# Altium PCB AD9959.PcbDoc (part 1 of 2)
Units mil, origin at the board's own origin, x right, y up, seen from the top; angles counter-clockwise.
Board outline 2765 x 1935 mil, 4 copper layers (Top Layer, Layer 1, Layer 2, Bottom Layer), stack 63.126 mil thick; 270 components, 121 nets, 743 pads, 606 vias.
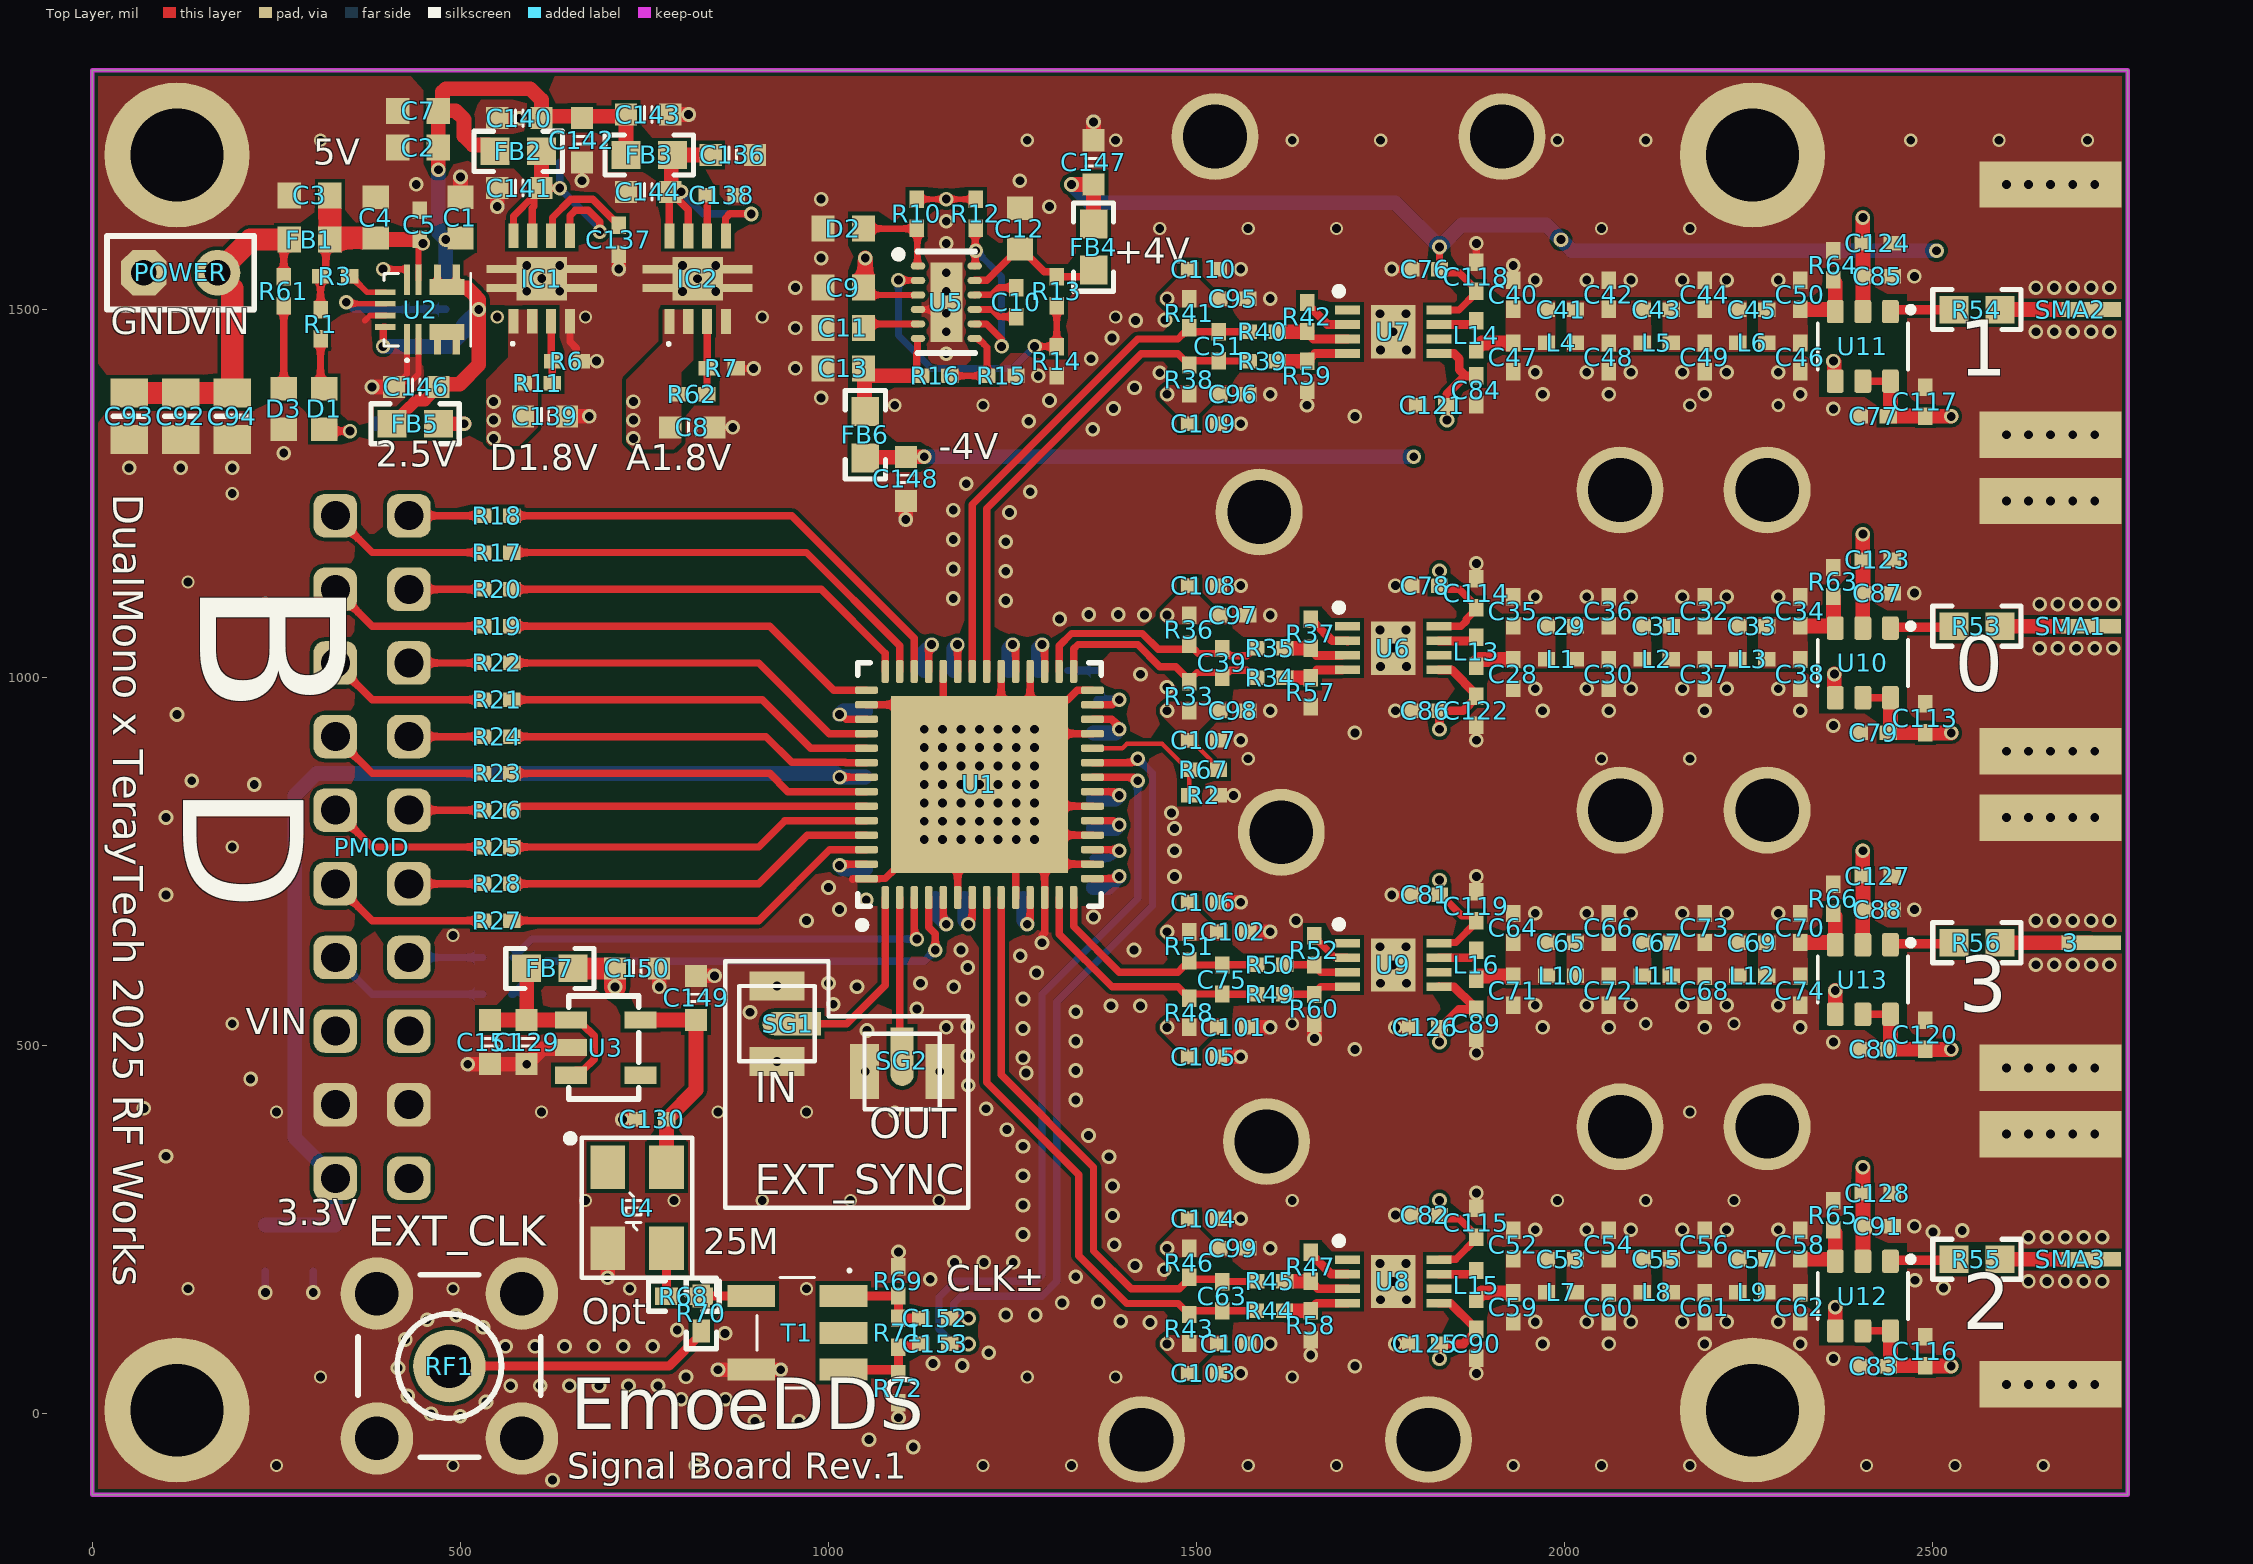
[diagram p0: Top Layer view]
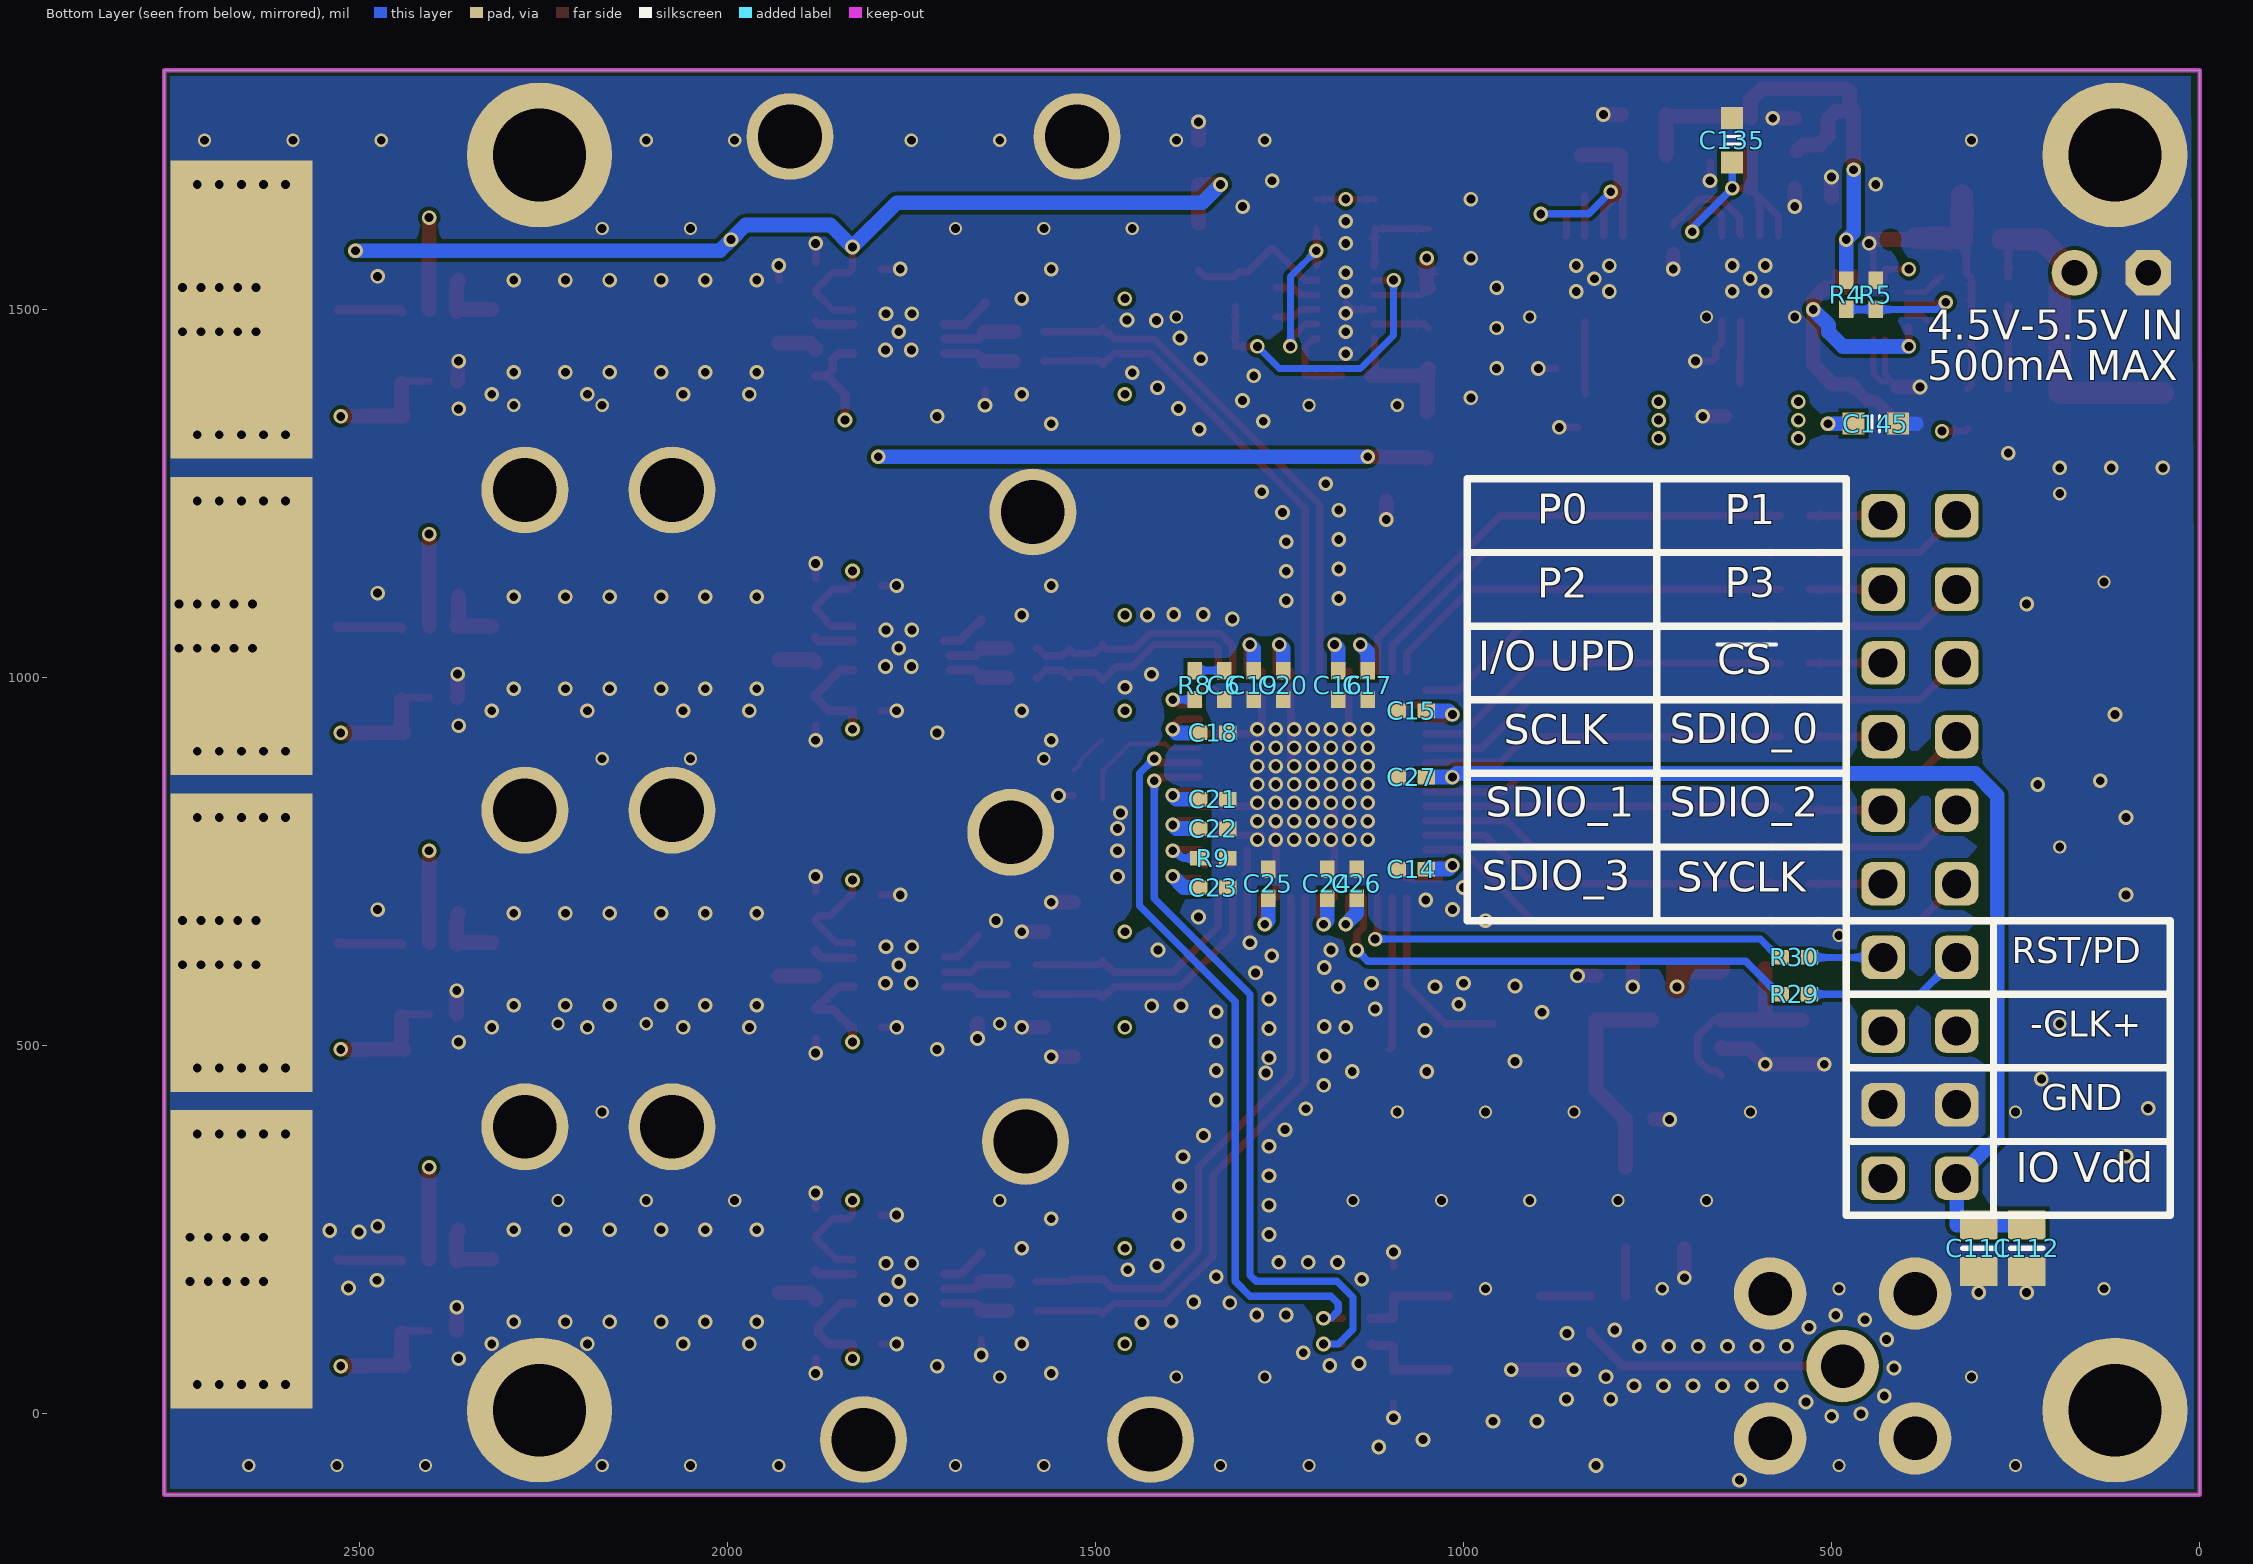
[diagram p1: Bottom Layer view, seen from below]
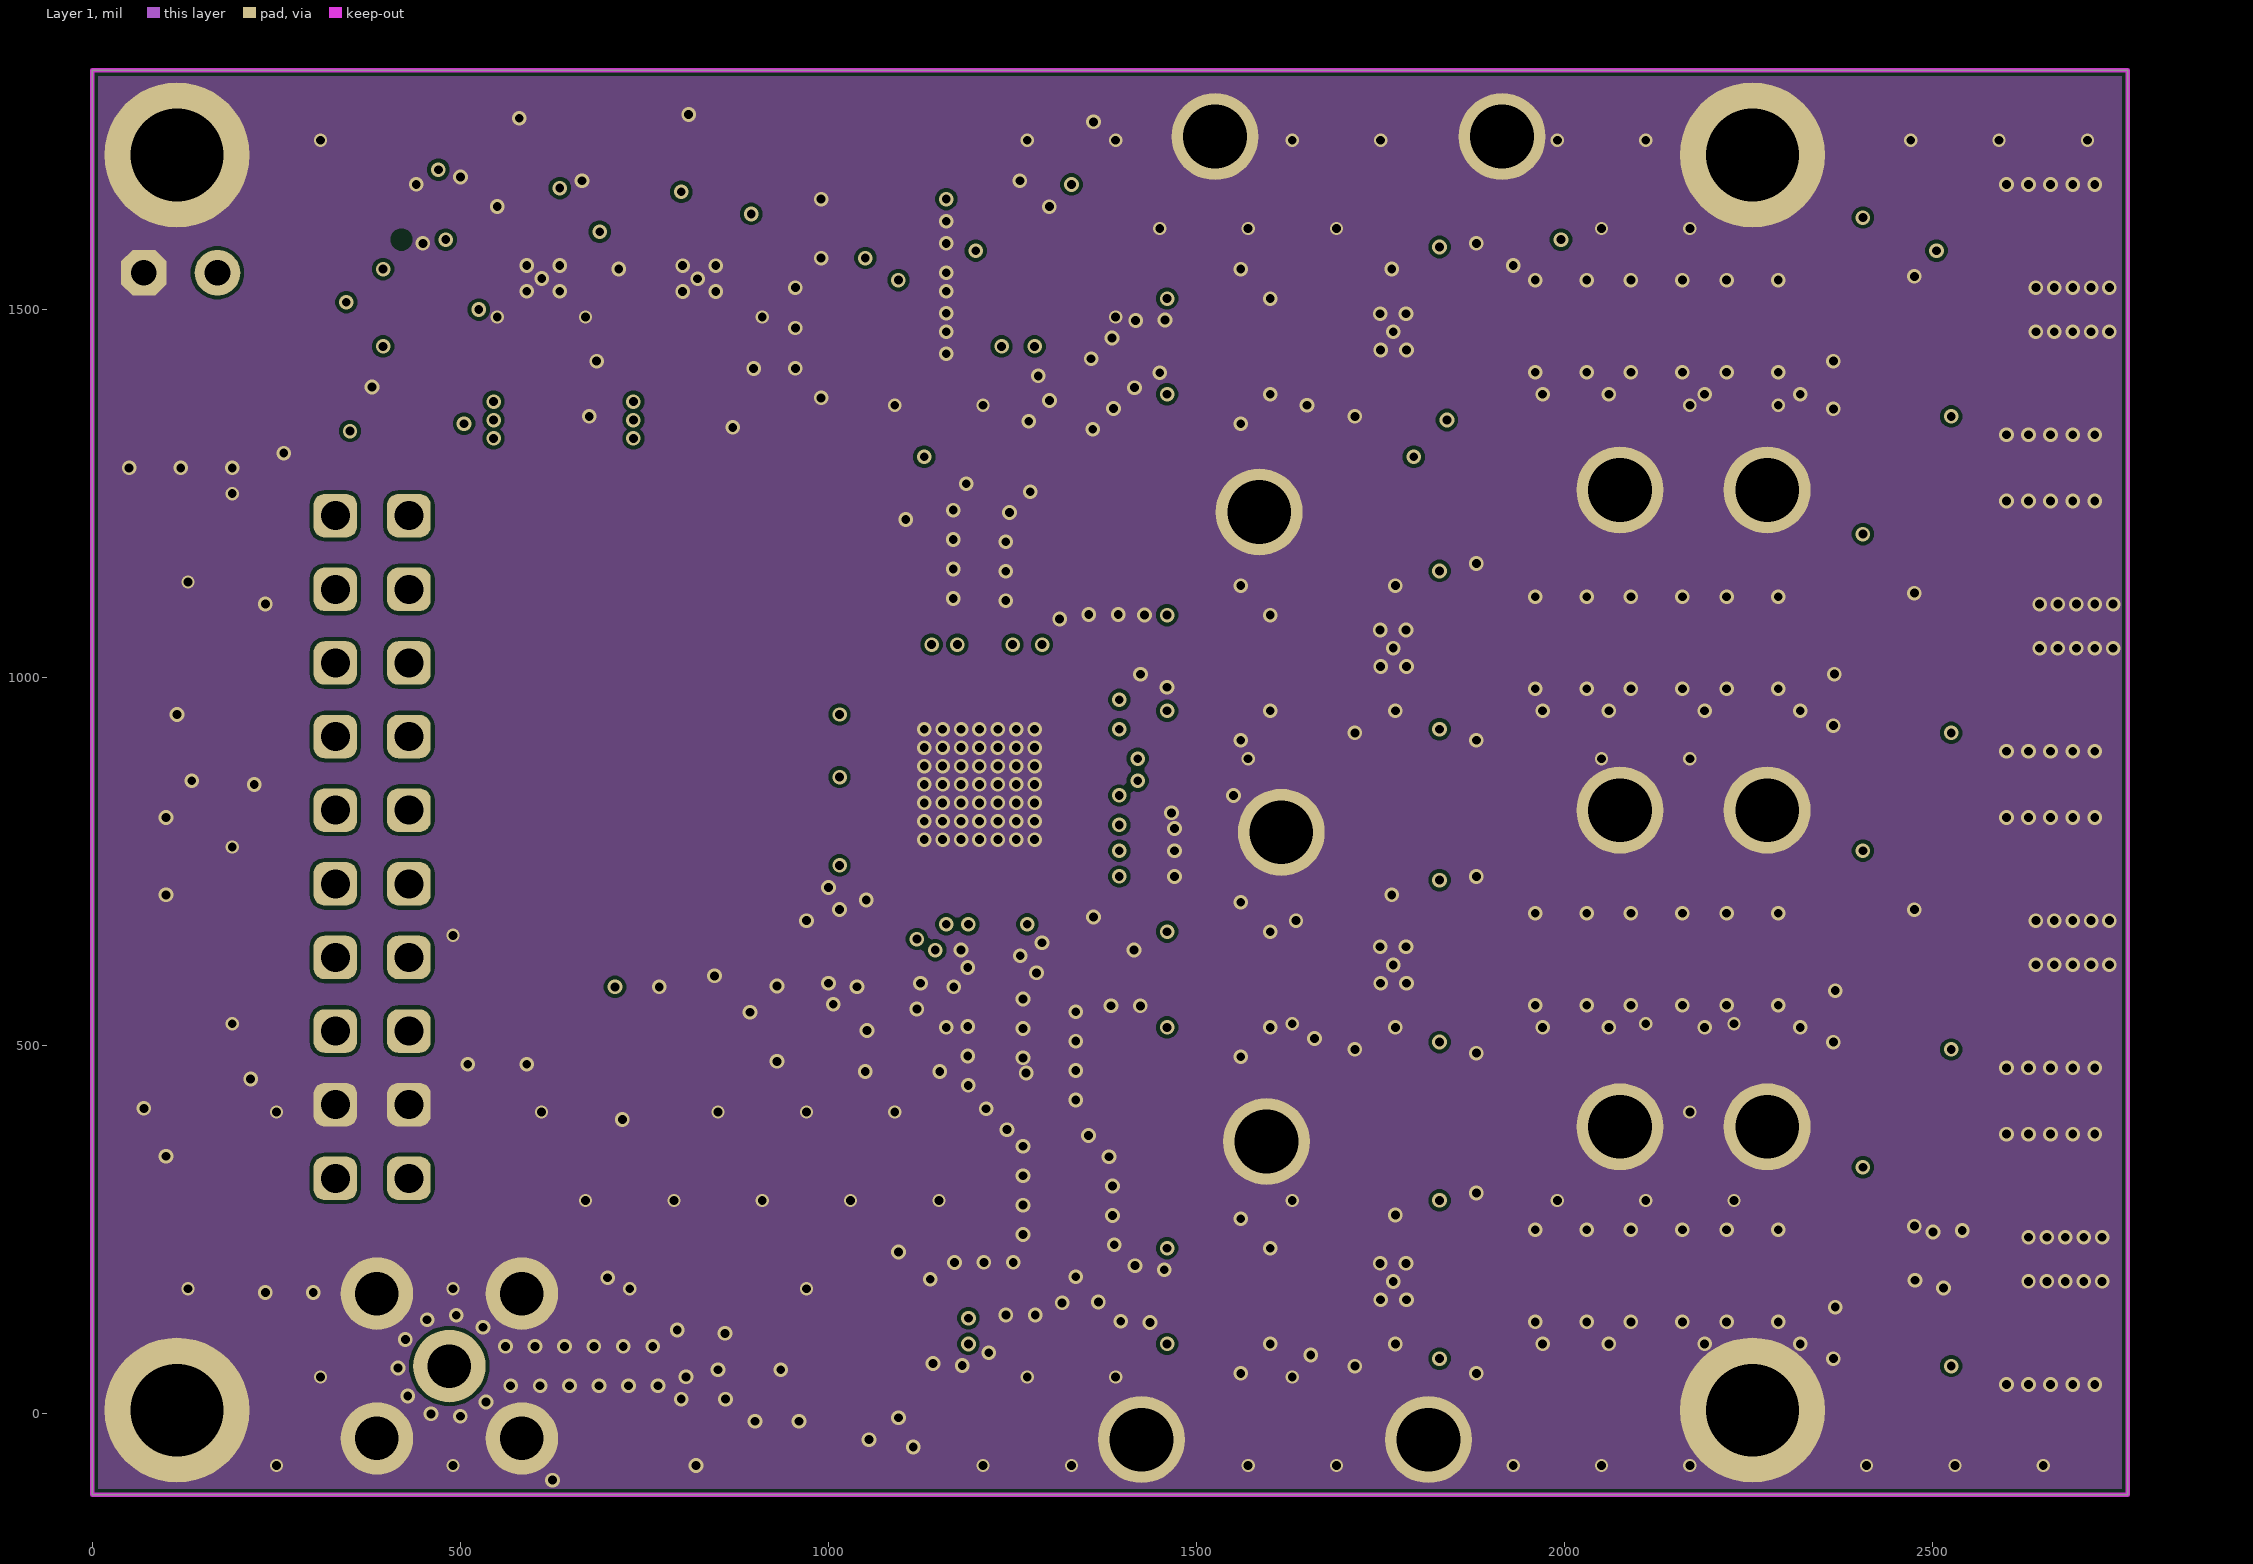
[diagram p2: Layer 1]
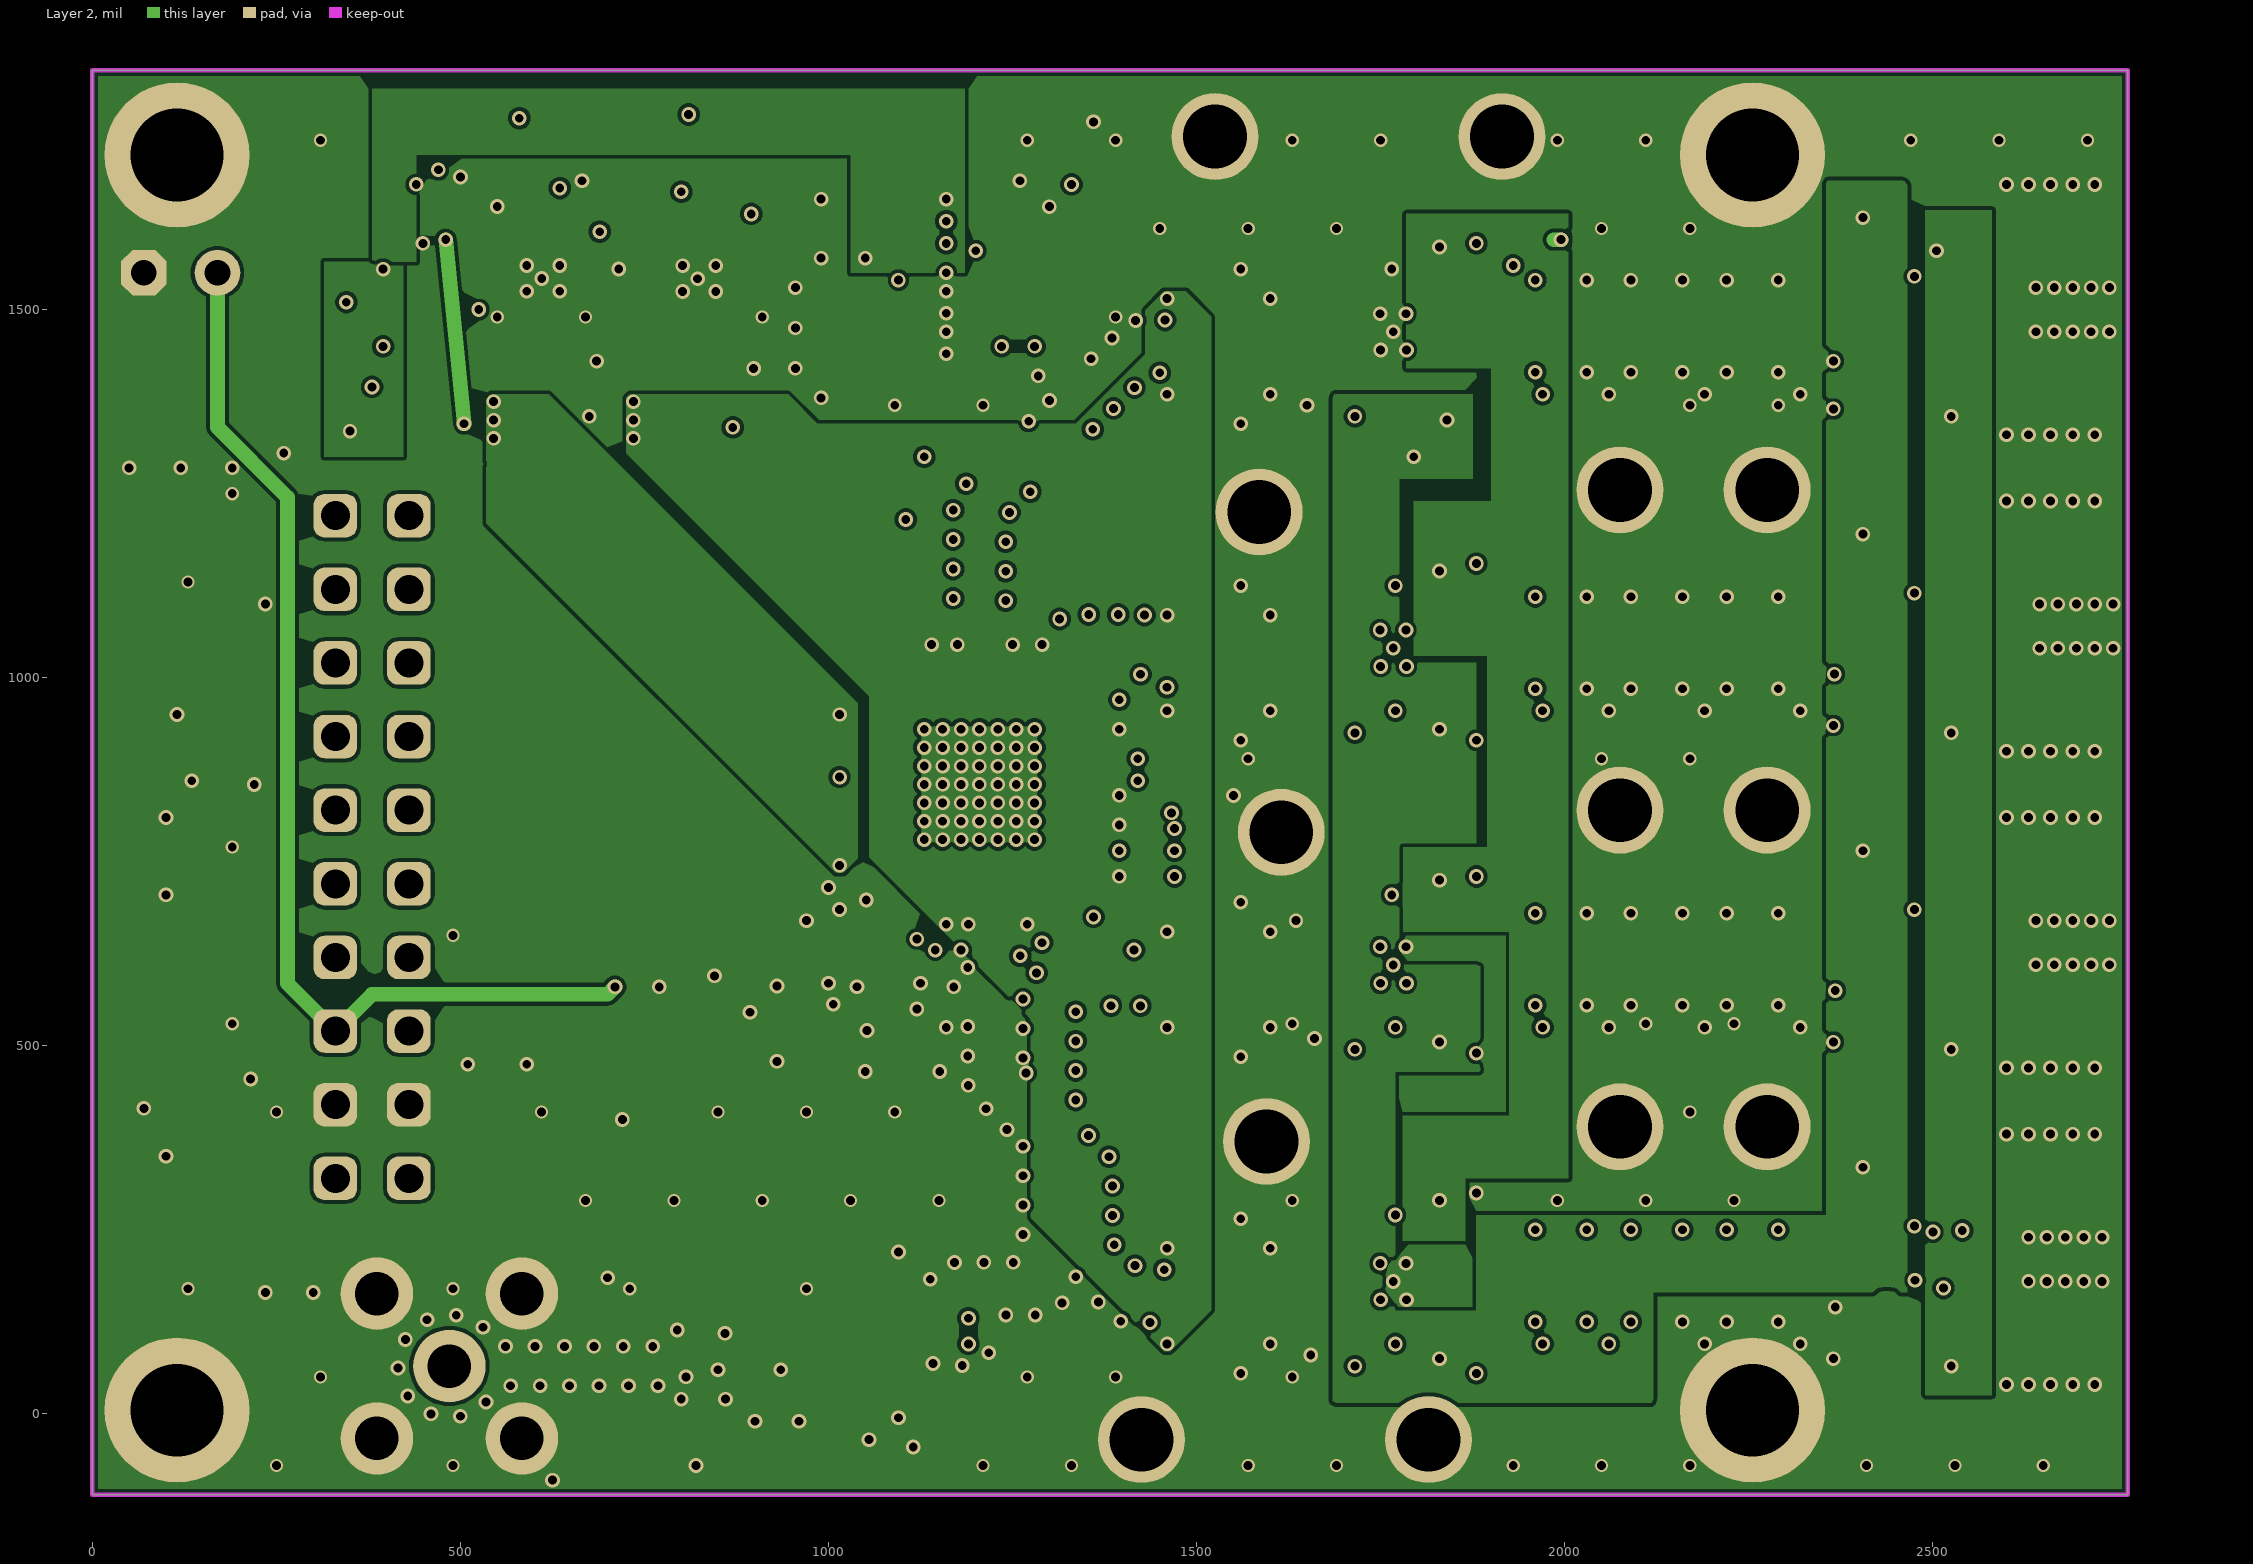
[diagram p3: Layer 2]

## Layer stack, top to bottom
Top Solder: solder mask 0.4, Solder Resist, Dk 3.5
Top Layer: signal copper 1.4
Dielectric 2: prepreg 2.8, PP-006, Dk 4.1
Layer 1: signal copper 1.378
Dielectric 1: dielectric 51.9701, FR-4, Dk 4.8
Layer 2: signal copper 1.378
Dielectric 3: prepreg 2.8, PP-006, Dk 4.1
Bottom Layer: signal copper 1.4
Bottom Solder: solder mask 0.4, Solder Resist, Dk 3.5

## Board outline
0,-110 0,1825 2765,1825 2765,-110

## Design rules (kind name [scope] priority, off if disabled: settings)
Clearance [All] p1: gap=5 ignorepadtopadclearanceinfootprint=FALSE except(0: Arc-Hole Track-Hole SMDPad-Hole THPad-Hole Via-Hole Fill-Hole Poly-Hole Region-Hole Text-Hole)
ComponentClearance [All] p1 off: gap=10 collisioncheckmode=3 verticalgap=10 showdistances=FALSE
MinimumSolderMaskSliver [All] p1 off: minsoldermaskwidth=10
PolygonConnect [All] p1: connectstyle=Direct reliefconductorwidth=10 reliefentries=4 polygonreliefangle="90 Angle" airgapwidth=10
RoutingVias [All] p1: holewidth=28 width=50 viastyle="Through Hole" minholewidth=12 minwidth=18 maxholewidth=28 maxwidth=50
SolderMaskExpansion [All] p1: expansion=4 istentingtop=FALSE
SupplyNets "Schematic Supply Nets_8" [InNet('VCC')] p1: voltage=0.000
SupplyNets "Schematic Supply Nets_7" [InNet('D+1.8')] p2: voltage=0.000
SupplyNets "Schematic Supply Nets_6" [InNet('A+1.8')] p3: voltage=0.000
SupplyNets "Schematic Supply Nets_5" [InNet('-4')] p4: voltage=0.000
SupplyNets "Schematic Supply Nets_4" [InNet('GND')] p5: voltage=0.000
SupplyNets "Schematic Supply Nets_3" [InNet('+5')] p6: voltage=0.000
SupplyNets "Schematic Supply Nets_2" [InNet('+4')] p7: voltage=0.000
SupplyNets "Schematic Supply Nets_1" [InNet('+3.3')] p8: voltage=0.000
SupplyNets "Schematic Supply Nets" [InNet('+2.5')] p9: voltage=0.000
Width [All] p1: maxlimit=30 minlimit=5 preferedwidth=10
28 further rules are at their usual default settings.

## Classes and differential pairs
component class CLOCKING: C129 C130 C149 C150 C151 C152 C153 FB7 R2 R67 R68 R69 R70 R71 R72 RF1 SG1 SG2 T1 U3 U4
component class power_fix: C1 C2 C3 C4 C5 C7 C8 C9 C10 C11 C12 C13 C14 C15 C27 C92 C93 C94 C111 C112 C135 C136 C137 C138 C139 C140 C141 C142 C143 C144 C145 C146 C147 C148 D1 D2 D3 FB1 FB2 FB3 FB4 FB5 FB6 IC1 IC2 POWER R1 R3 R4 R5 R6 R7 R10 R11 R12 R13 R14 R15 R16 R61 R62 U2 U5
component class buffer: C28 C29 C30 C31 C32 C33 C34 C35 C36 C37 C38 C39 C40 C41 C42 C43 C44 C45 C46 C47 C48 C49 C50 C51 C52 C53 C54 C55 C56 C57 C58 C59 C60 C61 C62 C63 C64 C65 C66 C67 C68 C69 C70 C71 C72 C73 C74 C75 L1 L2 L3 L4 L5 L6 L7 L8 L9 L10 L11 L12 L13 L14 L15 L16 R33 R34 R35 R36 R37 R38 R39 R40 R41 R42 R43 R44 R45 R46 R47 R48 R49 R50 R51 R52 R53 R54 R55 R56 R57 R58 R59 R60 R63 R64 R65 R66 U6 U7 U8 U9 U10 U11 U12 U13
component class AD9959: 3 C6 C16 C17 C18 C19 C20 C21 C22 C23 C24 C25 C26 C76 C77 C78 C79 C80 C81 C82 C83 C84 C85 C86 C87 C88 C89 C90 C91 C95 C96 C97 C98 C99 C100 C101 C102 C103 C104 C105 C106 C107 C108 C109 C110 C113 C114 C115 C116 C117 C118 C119 C120 C121 C122 C123 C124 C125 C126 C127 C128 PMOD R8 R9 R17 R18 R19 R20 R21 R22 R23 R24 R25 R26 R27 R28 R29 R30 SMA1 SMA2 SMA3 U1
